# Altium PCB 电源模块.PcbDoc (part 2 of 3)
Units mil, origin at the board's own origin, x right, y up, seen from the top; angles counter-clockwise.
Board outline 3818.05 x 5303.04 mil, 4 copper layers (Top Layer, GND, POWER, Bottom Layer), stack 30.634 mil thick; 232 components, 142 nets, 800 pads, 621 vias.
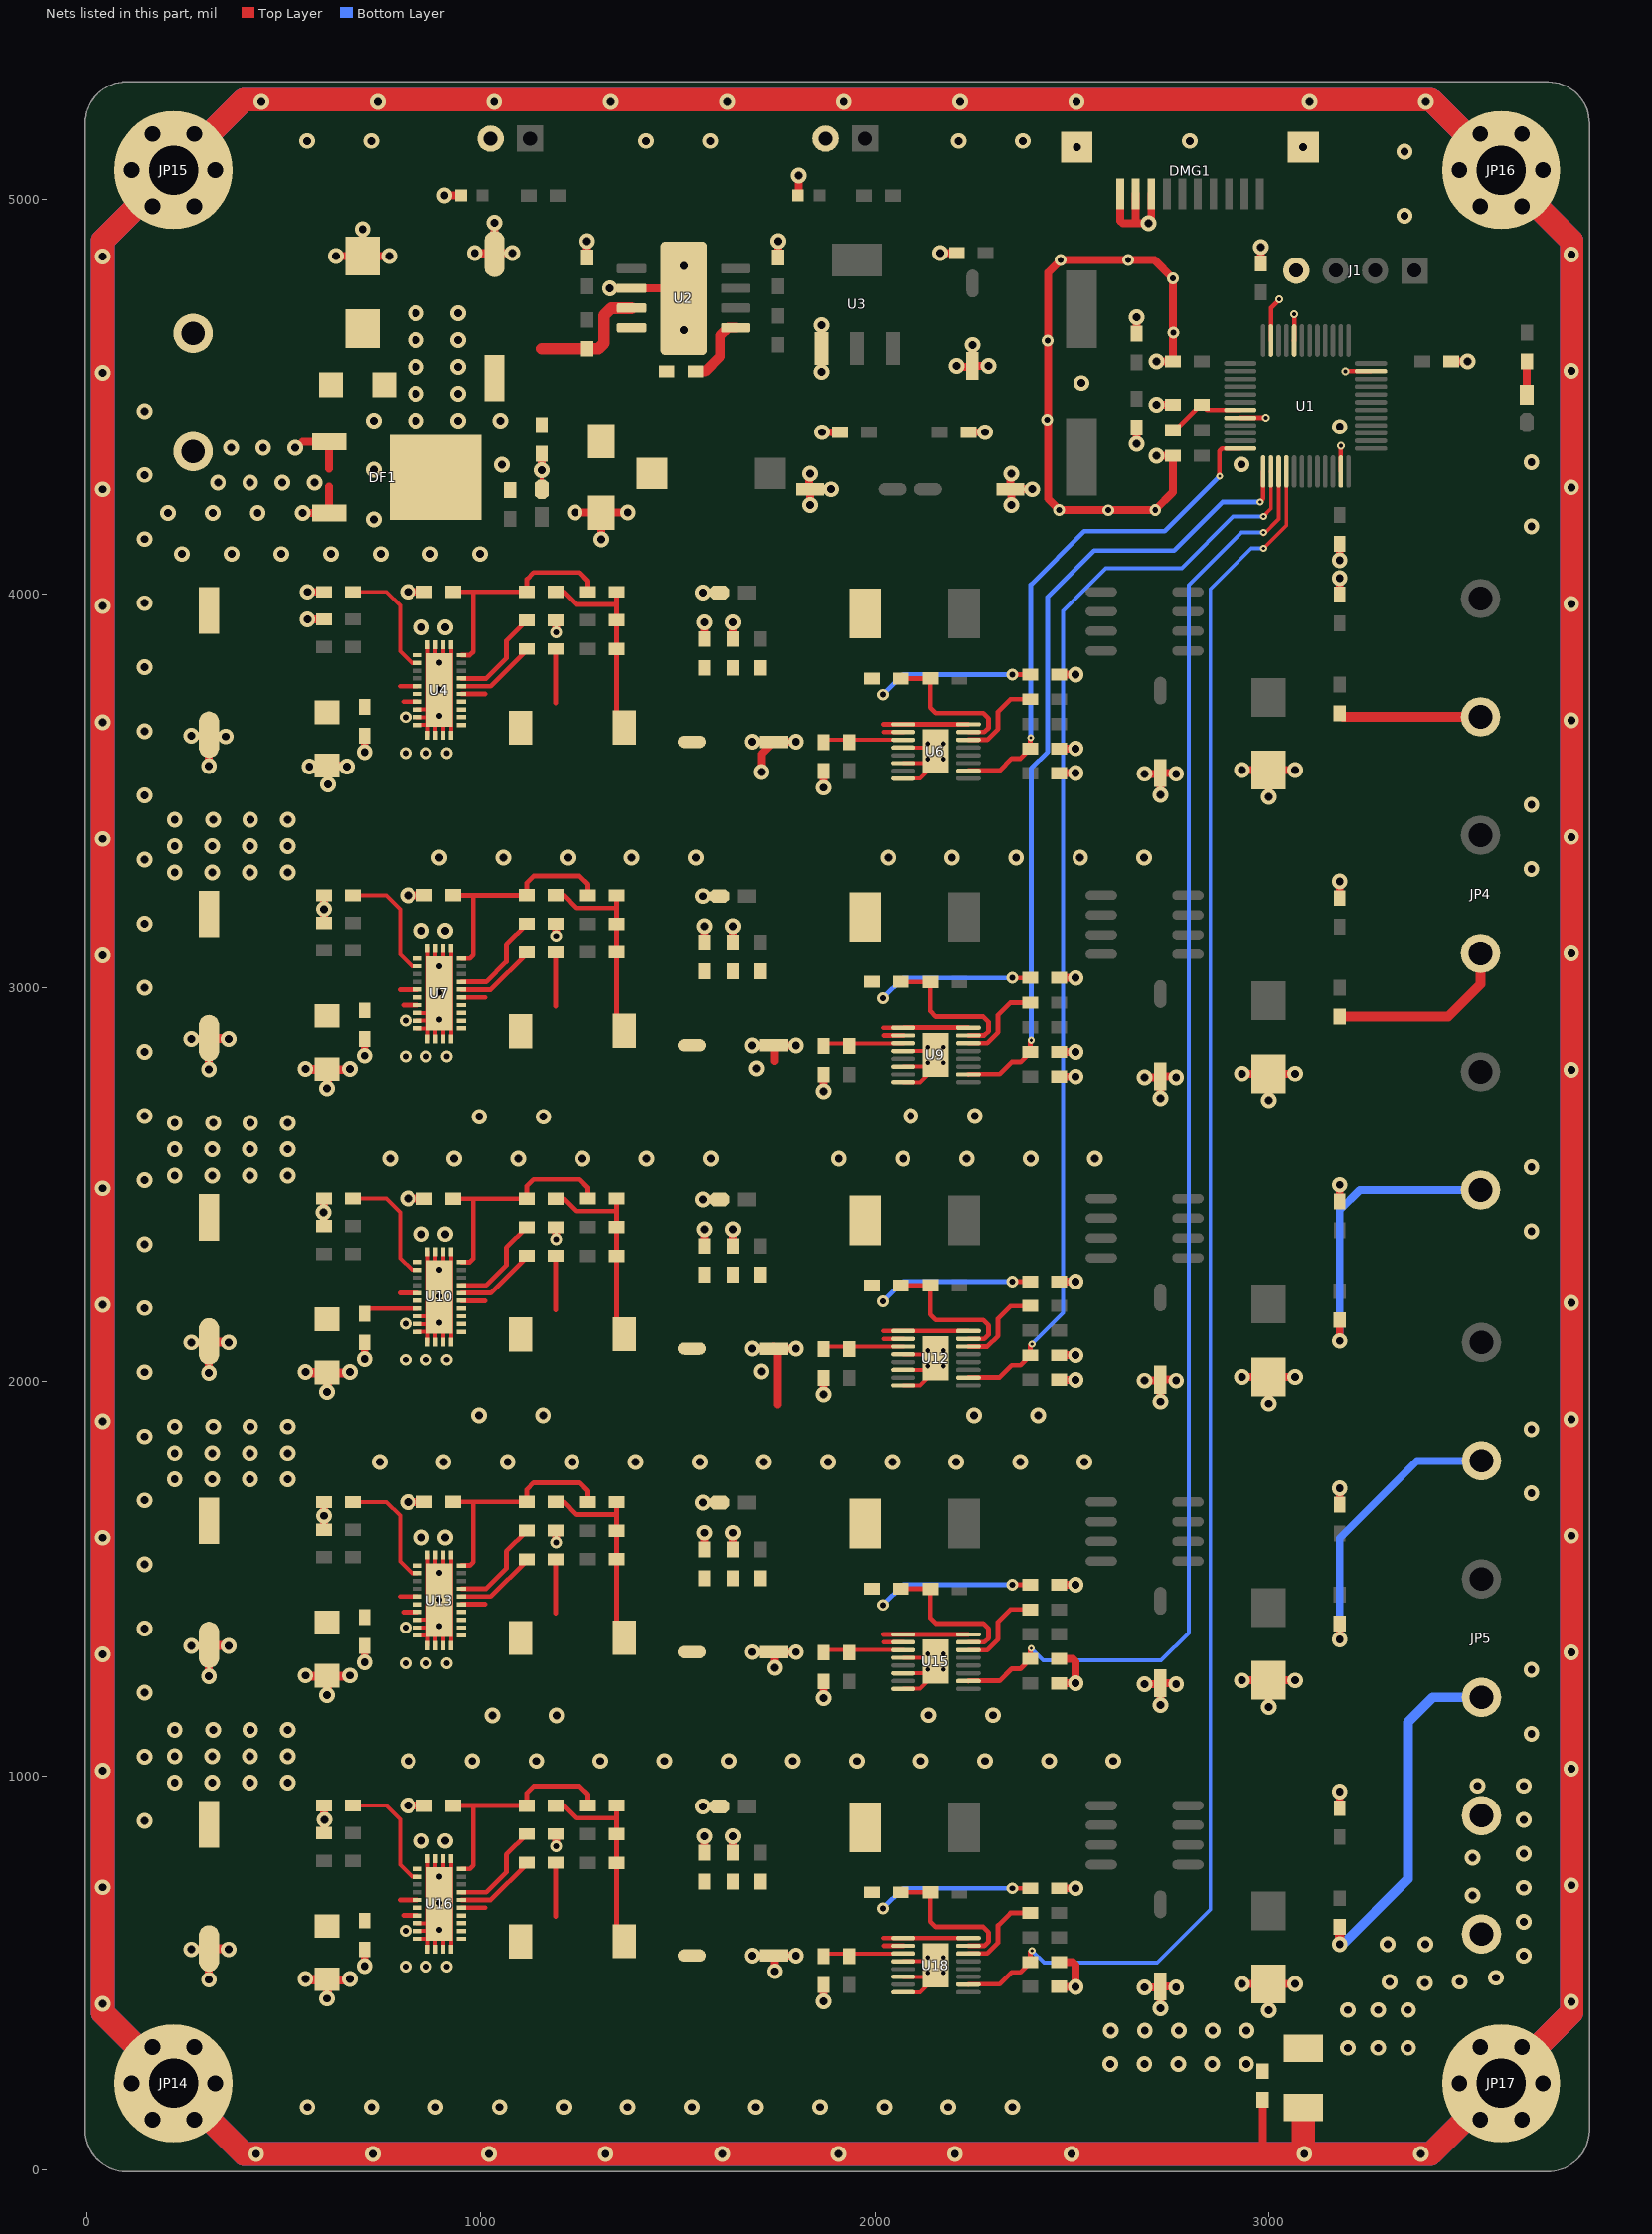
[diagram p4: the nets of this part, all layers, seen from the top]

## Via types
v1: diameter 40, hole 20, Top Layer to Bottom Layer, tented both sides, 472 vias
v2: diameter 30, hole 15, Top Layer to Bottom Layer, tented both sides, 84 vias
v3: diameter 18, hole 8, Top Layer to Bottom Layer, tented both sides, 32 vias
v4: diameter 24, hole 12, Top Layer to Bottom Layer, tented both sides, 20 vias
v5: diameter 20, hole 10, Top Layer to Bottom Layer, tented both sides, 13 vias

## Nets (pads, with @x,y where several pads share a name; then routed paths per layer and width w, separated by ;. In a path a pad name is that pad's centre, name@x,y a point inside that pad or via, vN(x,y) a via of type N, cw(c..) or ccw(c..) an arc to the next point about the centre after c; other vN are vias at no path point) (continued)
GND: C1.2 C2.1 C3.2 C4.1 C5.1 C6.1 C7.1 C8.1 C10.1 C11.1 C12.2 C13.1 C14.1 C15.1 C16.1 C17.1 C19.2 C20.1 C21.1 C22.1 C23.1 C24.1 C25.1 C26.1 C29.1 C30.1 C32.1 C33.2 C34.1 C36.2 C37.1 C38.1 C39.1 C40.1 C41.1 C42.1 C43.1 C46.1 C47.1 C49.1 C50.2 C51.1 C53.2 C54.1 C55.1 C56.1 C57.1 C58.1 C59.1 C60.1 C63.1 C64.1 C66.1 C67.2 C68.1 C70.2 C71.1 C72.1 C73.1 C74.1 C75.1 C76.1 C77.1 C80.1 C81.1 C83.1 C84.2 C85.1 C87.2 C88.1 C89.1 C90.1 C91.1 C92.1 C93.1 C94.1 C97.1 C98.1 C100.1 C101.2 C102.1 C103.1 D1.1 D2.1 D3.1 D4.1 D5.1 D6.1 D7.1 D8.1 D9.1 DF1.1 DF1.3 DMG1.0 DMG1.8 DMG1.9 DMG1.10 J1.4 JP1.2 JP2.1 JP3.2 JP5.5 JP5.6 LED2.2 LED3.2 LED4.2 LED5.2 LED6.2 LED7.2 R7.2 R8.1 R17.2 R19.2 R21.1 R30.2 R32.2 R34.1 R43.2 R45.2 R47.1 R56.2 R58.2 R60.1 R69.2 R71.2 R73.1 R75.1 U1.8 U1.23 U1.35 U1.44 U1.47 U2.6 U2.9 U3.1 U4.1 U4.8 U4.9 U4.10 U4.11 U4.12 U4.13 U4.14 U4.25 U4.26 U4.27 U4.28 U4.29 U6.4 U6.6 U6.8 U6.17 U7.1 U7.8 U7.9 U7.10 U7.11 U7.12 U7.13 U7.14 U7.25 U7.26 U7.27 U7.28 U7.29 U9.4 U9.6 U9.8 U9.17 U10.1 U10.8 U10.9 U10.10 U10.11 U10.12 U10.13 U10.14 U10.25 U10.26 U10.27 U10.28 U10.29 U12.4 U12.6 U12.8 U12.17 U13.1 U13.8 U13.9 U13.10 U13.11 U13.12 U13.13 U13.14 U13.25 U13.26 U13.27 U13.28 U13.29 U15.4 U15.6 U15.8 U15.17 U16.1 U16.8 U16.9 U16.10 U16.11 U16.12 U16.13 U16.14 U16.25 U16.26 U16.27 U16.28 U16.29 U18.4 U18.6 U18.8 U18.17 | length 18093.8
  Top Layer w10: U16.10@839.28,587.04 863.52,587.04 U16.29@865.56,585 ; U16.9@839.28,606.72 U16.29@863.52,606.72 ; U16.8@839.28,626.41 U16.29@863.52,626.41 ; U13.10@839.28,1357.04 863.52,1357.04 U13.29@865.56,1355 ; U13.9@839.28,1376.72 U13.29@863.52,1376.72 ; U13.8@839.28,1396.41 U13.29@863.52,1396.41 ; U10.10@839.28,2127.04 863.52,2127.04 U10.29@865.56,2125 ; U10.9@839.28,2146.72 U10.29@863.52,2146.72 ; U10.8@839.28,2166.41 U10.29@863.52,2166.41 ; U7.10@839.28,2897.04 863.52,2897.04 U7.29@865.56,2895 ; U7.9@839.28,2916.72 U7.29@863.52,2916.72 ; U7.8@839.28,2936.41 U7.29@863.52,2936.41 ; U4.10@839.28,3667.04 863.52,3667.04 U4.29@865.56,3665 ; U4.9@839.28,3686.72 U4.29@863.52,3686.72 ; U4.8@839.28,3706.41 U4.29@863.52,3706.41 ; U16.11@865.56,560.76 U16.29@865.56,585 ; U16.28@865.56,790.48 U16.29@865.56,705.15 ; U13.11@865.56,1330.76 U13.29@865.56,1355 ; U13.28@865.56,1560.48 U13.29@865.56,1475.15 ; U10.11@865.56,2100.76 U10.29@865.56,2125 ; U10.28@865.56,2330.48 U10.29@865.56,2245.15 ; U7.11@865.56,2870.76 U7.29@865.56,2895 ; U7.28@865.56,3100.48 U7.29@865.56,3015.15 ; U4.11@865.56,3640.76 U4.29@865.56,3665 ; U4.28@865.56,3870.48 U4.29@865.56,3785.15 ; U16.12@885.24,560.76 U16.29@885.24,585 ; U16.27@885.24,790.48 U16.29@885.24,685.47 ; U13.12@885.24,1330.76 U13.29@885.24,1355 ; U13.27@885.24,1560.48 U13.29@885.24,1455.47 ; U10.12@885.24,2100.76 U10.29@885.24,2125 ; U10.27@885.24,2330.48 U10.29@885.24,2225.47 ; U7.12@885.24,2870.76 U7.29@885.24,2895 ; U7.27@885.24,3100.48 U7.29@885.24,2995.47 ; U4.12@885.24,3640.76 U4.29@885.24,3665 ; U4.27@885.24,3870.48 U4.29@885.24,3765.47 ; U16.13@904.93,560.76 U16.29@904.93,585 ; U16.26@904.93,790.48 U16.29@904.93,685.47 ; U13.13@904.93,1330.76 U13.29@904.93,1355 ; U13.26@904.93,1560.48 U13.29@904.93,1455.47 ; U10.13@904.93,2100.76 U10.29@904.93,2125 ; U10.26@904.93,2330.48 U10.29@904.93,2225.47 ; U7.13@904.93,2870.76 U7.29@904.93,2895 ; U7.26@904.93,3100.48 U7.29@904.93,2995.47 ; U4.13@904.93,3640.76 U4.29@904.93,3665 ; U4.26@904.93,3870.48 U4.29@904.93,3765.47 ; U16.14@924.61,560.76 U16.29@924.61,705.15 ; U16.25@924.61,790.48 U16.29@924.61,705.15 ; U13.14@924.61,1330.76 U13.29@924.61,1475.15 ; U13.25@924.61,1560.48 U13.29@924.61,1475.15 ; U10.14@924.61,2100.76 U10.29@924.61,2245.15 ; U10.25@924.61,2330.48 U10.29@924.61,2245.15 ; U7.14@924.61,2870.76 U7.29@924.61,3015.15 ; U7.25@924.61,3100.48 U7.29@924.61,3015.15 ; U4.14@924.61,3640.76 U4.29@924.61,3785.15 ; U4.25@924.61,3870.48 U4.29@924.61,3785.15 ; LED2.2@1155,4265 v1(1155,4313) ; U18.8@2072.17,451.1 2116.1,451.1 2155,490 U18.17@2155,520 ; U18.6@2072.17,490.47 2125.47,490.47 v4(2135.31,500.31) U18.17@2155,520 ; U18.4@2072.17,529.84 2145.16,529.84 U18.17@2155,520 ; U15.8@2072.17,1221.1 2116.1,1221.1 2155,1260 U15.17@2155,1290 ; U15.6@2072.17,1260.47 2125.47,1260.47 v4(2135.31,1270.31) U15.17@2155,1290 ; U15.4@2072.17,1299.84 2145.16,1299.84 U15.17@2155,1290 ; U12.8@2072.17,1991.1 2116.1,1991.1 2155,2030 U12.17@2155,2060 ; U12.6@2072.17,2030.47 2125.47,2030.47 v4(2135.31,2040.31) U12.17@2155,2060 ; U12.4@2072.17,2069.84 2145.16,2069.84 U12.17@2155,2060 ; U9.8@2072.17,2761.1 2116.1,2761.1 2155,2800 U9.17@2155,2830 ; U9.6@2072.17,2800.47 2125.47,2800.47 v4(2135.31,2810.31) U9.17@2155,2830 ; U9.4@2072.17,2839.84 2145.16,2839.84 U9.17@2155,2830 ; U6.8@2072.17,3531.1 2116.1,3531.1 2155,3570 U6.17@2155,3600 ; U6.6@2072.17,3570.47 2125.47,3570.47 v4(2135.31,3580.31) U6.17@2155,3600 ; U6.4@2072.17,3609.84 2145.16,3609.84 U6.17@2155,3600 ; U16.29@865.56,585 U16.29@865.56,705.15 ; U16.29@865.56,705.15 U16.29@885.24,685.47 ; U13.29@865.56,1355 U13.29@865.56,1475.15 ; U13.29@865.56,1475.15 U13.29@885.24,1455.47 ; U10.29@865.56,2125 U10.29@865.56,2245.15 ; U10.29@865.56,2245.15 U10.29@885.24,2225.47 ; U7.29@865.56,2895 U7.29@865.56,3015.15 ; U7.29@865.56,3015.15 U7.29@885.24,2995.47 ; U4.29@865.56,3665 U4.29@865.56,3785.15 ; U4.29@865.56,3785.15 U4.29@885.24,3765.47 ; U16.29@885.24,685.47 U16.29@895.08,675.62 U16.29@904.93,685.47 ; U13.29@885.24,1455.47 U13.29@895.08,1445.62 U13.29@904.93,1455.47 ; U10.29@885.24,2225.47 U10.29@895.08,2215.62 U10.29@904.93,2225.47 ; U7.29@885.24,2995.47 U7.29@895.08,2985.62 U7.29@904.93,2995.47 ; U4.29@885.24,3765.47 U4.29@895.08,3755.62 U4.29@904.93,3765.47 ; U16.29@904.93,685.47 U16.29@924.61,705.15 ; U13.29@904.93,1455.47 U13.29@924.61,1475.15 ; U10.29@904.93,2225.47 U10.29@924.61,2245.15 ; U7.29@904.93,2995.47 U7.29@924.61,3015.15 ; U4.29@904.93,3765.47 U4.29@924.61,3785.15
  Top Layer w12: U1.8@2927.8,4446.89 v5(2992.89,4446.89) ; U1.47@3005.63,4642.83 3005.63,4725.63 v5(3027,4747) ; U1.44@3064.69,4642.83 3065,4643.15 v5(3065,4710) ; U1.23@3182.8,4310 v5(3182.8,4375.09) ; v5(3194.54,4565) U1.35@3259.63,4565
  Top Layer w20: v1(265,560) C87.2@312.52,560 ; v1(265,1330) C70.2@312.52,1330 ; v1(265,2100) C53.2@312.52,2100 ; v1(265,2870) C36.2@312.52,2870 ; v1(265,3640) C19.2@312.52,3640 ; v1(310,483) C87.2@310,525 ; C87.2@310,562.52 C87.2@312.52,560 ; v1(310,1253) C70.2@310,1295 ; C70.2@310,1332.52 C70.2@312.52,1330 ; v1(310,2023) C53.2@310,2065 ; C53.2@310,2102.52 C53.2@312.52,2100 ; v1(310,2793) C36.2@310,2835 ; C36.2@310,2872.52 C36.2@312.52,2870 ; v1(310,3563) C19.2@310,3605 ; C19.2@310,3642.52 C19.2@312.52,3640 ; C87.2@312.52,562.52 v1@367.48,562.52 ; C70.2@312.52,1332.52 v1@367.48,1332.52 ; C53.2@312.52,2102.52 v1@367.48,2102.52 ; C36.2@312.52,2872.52 v1@367.48,2872.52 ; v1(352,3638) 314.52,3638 C19.2@312.52,3640 ; v1(360,560) C87.2@312.52,560 ; v1(360,1330) C70.2@312.52,1330 ; v1(360,2100) C53.2@312.52,2100 ; v1(360,2870) C36.2@312.52,2870 ; v1(547.62,4204.84) DF1.3@615.1,4204.84 615.1,4272.32 ; 547.62,4385.16 DF1.1@615.1,4385.16 615.1,4317.68 ; v1(555,485) 609,485 C88.1@610,484 ; v1(555,1255) 609,1255 C71.1@610,1254 ; v1(555,2025) 609,2025 C54.1@610,2024 ; v1(555,2795) 609,2795 C37.1@610,2794 ; v1(560,3935) R17.2@602,3935 ; v1(560,4005) C30.1@602,4005 ; v1@565,481.48 C88.1@610,481.48 ; v1@565,1251.48 C71.1@610,1251.48 ; v1@565,2021.48 C54.1@610,2021.48 ; v1@565,2791.48 C37.1@610,2791.48 ; v1(565,3561.48) C20.1@610,3561.48 ; C98.1@602,925 R69.2@602,855 603,856 v1(603,889) ; R56.2@602,1625 C81.1@602,1695 ; R43.2@602,2395 C64.1@602,2465 ; R30.2@602,3165 C47.1@602,3235 ; v1(610,435) C88.1@610,477 ; v1(610,1205) C71.1@610,1247 ; v1(610,1975) C54.1@610,2017 ; v1(610,2745) C37.1@610,2787 ; C20.1@610,3564 C20.1@611.26,3562.74 ; v1@612.52,436.48 C88.1@612.52,481.48 ; v1@612.52,1206.48 C71.1@612.52,1251.48 ; v1@612.52,1976.48 C54.1@612.52,2021.48 ; v1@612.52,2746.48 C37.1@612.52,2791.48 ; v1(612.52,3516.48) C20.1@612.52,3561.48 ; v1(632.52,4857.52) D2.1@700,4857.52 ; v1@660,481.48 C88.1@612.52,481.48 ; v1@660,1251.48 C71.1@612.52,1251.48 ; v1@660,2021.48 C54.1@612.52,2021.48 ; v1@660,2791.48 C37.1@612.52,2791.48 ; v1(660,3561.48) C20.1@612.52,3561.48 ; v1@667.48,484 C88.1@612.52,484 ; v1@667.48,1254 C71.1@612.52,1254 ; v1@667.48,2024 C54.1@612.52,2024 ; v1@667.48,2794 C37.1@612.52,2794 ; v1@667.48,3564 C20.1@612.52,3564 ; v1(700,4925) D2.1@700,4857.52 ; v1(705,518) C89.1@705,560 ; v1(705,1288) C72.1@705,1330 ; v1(705,2058) C55.1@705,2100 ; v1(705,2828) C38.1@705,2870 ; v1(705,3598) C21.1@705,3640 ; v1(767.48,4857.52) D2.1@700,4857.52 ; v1(815,925) R71.2@857,925 ; v1(815,1695) R58.2@857,1695 ; v1(815,2465) R45.2@857,2465 ; v1(815,3235) R32.2@857,3235 ; v1(815,4005) R19.2@857,4005 ; v1(908,5011) D9.1@950,5011 ; v1@977.52,4862.48 C12.2@1032.48,4862.48 ; v1(985,4865) C12.2@1032.48,4865 ; C12.2@1035,4862.48 C12.2@1032.48,4865 ; C12.2@1035,4900 v1(1035,4942) ; v1(1080,4865) C12.2@1032.48,4865 ; v1(1155,4313) C103.1@1155,4355 ; C97.1@1190,852.5 1191,851.5 v2(1191,822) ; C80.1@1190,1622.5 1191,1621.5 v2(1191,1592) ; C63.1@1190,2392.5 1191,2391.5 v2(1191,2362) ; C46.1@1190,3162.5 1191,3161.5 v2(1191,3132) ; C29.1@1190,3932.5 1191,3931.5 v2(1191,3902) ; v1(1238.52,4206) D3.1@1306,4206 ; R7.2@1270,4853 v1(1270,4895) ; v1(1306,4138.52) D3.1@1306,4206 ; v1(1328,4775) U2.6@1370,4775 ; v1(1373.48,4206) D3.1@1306,4206 ; U2.6@1383.11,4775 1490,4775 U2.9@1515,4750 ; v1(1563,923) LED7.2@1605,923 ; v1(1563,1693) LED6.2@1605,1693 ; v1(1563,2463) LED5.2@1605,2463 ; v1(1563,3233) LED4.2@1605,3233 ; v1(1563,4003) LED3.2@1605,4003 ; C92.1@1567.53,805 v1(1567.53,847) ; C75.1@1567.53,1575 v1(1567.53,1617) ; C58.1@1567.53,2345 v1(1567.53,2387) ; C41.1@1567.53,3115 v1(1567.53,3157) ; C24.1@1567.53,3885 v1(1567.53,3927) ; C91.1@1638.76,805 v1(1638.76,847) ; C74.1@1638.76,1575 v1(1638.76,1617) ; C57.1@1638.76,2345 v1(1638.76,2387) ; C40.1@1638.76,3115 v1(1638.76,3157) ; C23.1@1638.76,3885 v1(1638.76,3927) ; v1(1690,3624.33) C22.1@1744.33,3624.33 C22.1@1746.85,3626.85 ; v1(1713,3548) 1713,3593 C22.1@1746.85,3626.85 ; C22.1@1744.33,3629.37 C22.1@1746.85,3626.85 ; v1(1746.85,504.33) C90.1@1746.85,546.85 ; v1(1746.85,1274.33) C73.1@1746.85,1316.85 ; 1746.85,2814.33 C39.1@1746.85,2856.85 ; 1754,1943 1754,2079.7 C56.1@1746.85,2086.85 ; R8.1@1755,4853 v1(1755,4895) ; v1@1781.85,3624.33 v1(1800,3624.33) ; D1.1@1805,5011 1807,5013 v1(1807,5061.7) ; C14.1@1833.15,4265 C14.1@1835.67,4267.52 ; v1@1833.15,4305 1833.15,4270.04 C14.1@1835.67,4267.52 ; v1(1835.67,4225) C14.1@1835.67,4265 C14.1@1835.67,4267.52 ; v1(1865,4563) U3.1@1865,4605 ; U3.1@1865,4640 v1(1865,4682) ; v1(1866,4410) 1893.65,4410 C16.1@1894.2,4409.45 ; v1(1870,428) C102.1@1870,470 ; v1(1870,1198) C85.1@1870,1240 ; v1(1870,1968) C68.1@1870,2010 ; v1(1870,2738) C51.1@1870,2780 ; v1(1870,3508) C34.1@1870,3550 ; C14.1@1870.67,4265 v1(1888.82,4265) ; v1(2166.5,4865) C11.1@2208.5,4865 ; v1@2208.33,4576.15 2243.29,4576.15 C17.1@2245.81,4578.67 ; C15.1@2238,4410 v1(2280,4410) ; C17.1@2248.33,4576.15 C17.1@2245.81,4578.67 ; C17.1@2248.33,4613.67 v1(2248.33,4631.82) ; v1(2288.33,4578.67) C17.1@2248.33,4578.67 C17.1@2245.81,4578.67 ; C10.1@2344.33,4265 C10.1@2346.85,4267.52 ; v1@2344.33,4305 2344.33,4270.04 C10.1@2346.85,4267.52 ; v1(2346.85,4225) C10.1@2346.85,4267.52 ; v1@2381.85,4265 v1(2400,4265) ; R73.1@2468,465 v1(2510,465) 2510,520 2502.5,527.5 C101.2@2468,527.5 ; C100.1@2468,715 v1(2510,715) ; R60.1@2468,1235 v1(2510,1235) 2510,1290 2502.5,1297.5 C84.2@2468,1297.5 ; C83.1@2468,1485 v1(2510,1485) ; R47.1@2468,2005 v1(2510,2005) ; C67.2@2468,2067.5 v1(2510,2067.5) ; C66.1@2468,2255 v1(2510,2255) ; R34.1@2468,2775 v1(2510,2775) ; C50.2@2468,2837.5 v1(2510,2837.5) ; C49.1@2468,3025 v1(2510,3025) ; R21.1@2468,3545 v1(2510,3545) ; C33.2@2468,3607.5 v1(2510,3607.5) ; C32.1@2468,3795 v1(2510,3795) ; DMG1.10@2623.15,5015 2623.15,4946.85 2630,4940 2665,4940 ; DMG1.9@2662.52,5015 2662.52,4942.48 2665,4940 ; v1(2665,4380) C3.2@2665,4422 ; C1.2@2665,4660 v1(2665,4702) ; v1(2685,463.15) C93.1@2727.52,463.15 ; v1(2685,1233.15) C76.1@2727.52,1233.15 ; v1(2685,2003.15) C59.1@2727.52,2003.15 ; v1(2685,2773.15) C42.1@2727.52,2773.15 ; v1(2685,3543.15) C25.1@2727.52,3543.15 ; DMG1.8@2701.89,5015 2701.89,4946.89 v1(2695,4940) 2665,4940 ; v1(2715,4350) C5.1@2757,4350 2757,4258 v2(2712,4213) v2(2468,4213) 2440,4241 2440,4815 v2(2472,4847) 2710,4847 v2(2757,4800) C6.1@2757,4590 v1(2715,4590) ; v1(2715,4480) C2.1@2757,4480 ; v1(2725,410) v1@2725,428.15 ; C93.1@2725,465.67 C93.1@2727.52,463.15 ; v1(2725,1180) v1@2725,1198.15 ; C76.1@2725,1235.67 C76.1@2727.52,1233.15 ; v1(2725,1950) v1@2725,1968.15 ; C59.1@2725,2005.67 C59.1@2727.52,2003.15 ; v1(2725,2720) v1@2725,2738.15 ; C42.1@2725,2775.67 C42.1@2727.52,2773.15 ; v1(2725,3490) v1@2725,3508.15 ; C25.1@2725,3545.67 C25.1@2727.52,3543.15 ; v1@2765,465.67 2730.04,465.67 C93.1@2727.52,463.15 ; v1@2765,1235.67 2730.04,1235.67 C76.1@2727.52,1233.15 ; v1@2765,2005.67 2730.04,2005.67 C59.1@2727.52,2003.15 ; v1@2765,2775.67 2730.04,2775.67 C42.1@2727.52,2773.15 ; v1@2765,3545.67 2730.04,3545.67 C25.1@2727.52,3543.15 ; v1(2932.52,472.48) D8.1@3000,472.48 ; v1(2932.52,1242.48) D7.1@3000,1242.48 ; v1(2932.52,2012.48) D6.1@3000,2012.48 ; v1(2932.52,2782.48) D5.1@3000,2782.48 ; v1(2932.52,3552.48) D4.1@3000,3552.48 ; C7.1@2980,4838 v1(2980,4880) ; v1(3000,405) D8.1@3000,472.48 ; v1(3000,1175) D7.1@3000,1242.48 ; v1(3000,1945) D6.1@3000,2012.48 ; v1(3000,2715) D5.1@3000,2782.48 ; v1(3000,3485) D4.1@3000,3552.48 ; v1(3067.48,472.48) D8.1@3000,472.48 ; v1(3067.48,1242.48) D7.1@3000,1242.48 ; v1(3067.48,2012.48) D6.1@3000,2012.48 ; v1(3067.48,2782.48) D5.1@3000,2782.48 ; v1(3067.48,3552.48) D4.1@3000,3552.48 ; C94.1@3180,918 v1(3180,960) ; C77.1@3180,1688 v1(3180,1730) ; C60.1@3180,2458 v1(3180,2500) ; C43.1@3180,3228 v1(3180,3270) ; C26.1@3180,3998 v1(3180,4040) ; v1(3180,4085) C4.1@3180,4127 ; C8.1@3463,4590 v1(3505,4590) ; C88.1@610,481.48 C88.1@611.26,482.74 ; C88.1@610,481.48 C88.1@612.52,481.48 ; C88.1@610,484 C88.1@612.52,481.48 ; C88.1@610,484 C88.1@611.26,482.74 ; C71.1@610,1251.48 C71.1@611.26,1252.74 ; C71.1@610,1251.48 C71.1@612.52,1251.48 ; C71.1@610,1254 C71.1@612.52,1251.48 ; C71.1@610,1254 C71.1@611.26,1252.74 ; C54.1@610,2021.48 C54.1@611.26,2022.74 ; C54.1@610,2021.48 C54.1@612.52,2021.48 ; C54.1@610,2024 C54.1@612.52,2021.48 ; C54.1@610,2024 C54.1@611.26,2022.74 ; C37.1@610,2791.48 C37.1@612.52,2791.48 ; C37.1@610,2791.48 C37.1@611.26,2792.74 ; C37.1@610,2794 C37.1@611.26,2792.74 ; C37.1@610,2794 C37.1@612.52,2791.48 ; C20.1@610,3561.48 C20.1@611.26,3562.74 ; C20.1@610,3561.48 C20.1@612.52,3561.48 ; C88.1@611.26,482.74 C88.1@612.52,484 ; C88.1@611.26,482.74 C88.1@612.52,481.48 ; C71.1@611.26,1252.74 C71.1@612.52,1254 ; C71.1@611.26,1252.74 C71.1@612.52,1251.48 ; C54.1@611.26,2022.74 C54.1@612.52,2024 ; C54.1@611.26,2022.74 C54.1@612.52,2021.48 ; C37.1@611.26,2792.74 C37.1@612.52,2791.48 ; C37.1@611.26,2792.74 C37.1@612.52,2794 ; C20.1@611.26,3562.74 C20.1@612.52,3564 ; C20.1@611.26,3562.74 C20.1@612.52,3561.48 ; C88.1@612.52,481.48 615.04,484 C88.1@612.52,484 ; C88.1@612.52,481.48 C88.1@612.52,484 ; C71.1@612.52,1251.48 615.04,1254 C71.1@612.52,1254 ; C71.1@612.52,1251.48 C71.1@612.52,1254 ; C54.1@612.52,2021.48 615.04,2024 C54.1@612.52,2024 ; C54.1@612.52,2021.48 C54.1@612.52,2024 ; C37.1@612.52,2791.48 C37.1@612.52,2794 ; C37.1@612.52,2791.48 615.04,2794 C37.1@612.52,2794 ; C20.1@612.52,3561.48 C20.1@612.52,3564 ; C90.1@1744.33,544.33 v1(1690,544.33) C90.1@1744.33,544.33 ; C90.1@1744.33,544.33 C90.1@1746.85,546.85 ; C90.1@1744.33,544.33 C90.1@1746.85,546.85 ; C73.1@1744.33,1314.33 v1(1690,1314.33) C73.1@1744.33,1314.33 ; C73.1@1744.33,1314.33 C73.1@1746.85,1316.85 ; C73.1@1744.33,1314.33 C73.1@1746.85,1316.85 ; C56.1@1744.33,2084.33 v1(1690,2084.33) C56.1@1744.33,2084.33 ; C56.1@1744.33,2084.33 C56.1@1746.85,2086.85 ; C56.1@1744.33,2084.33 C56.1@1746.85,2086.85 ; C39.1@1744.33,2854.33 C39.1@1746.85,2856.85 ; C39.1@1744.33,2854.33 v1(1690,2854.33) C39.1@1744.33,2854.33 ; C39.1@1744.33,2854.33 C39.1@1746.85,2856.85 ; C90.1@1746.85,546.85 1744.33,549.37 C90.1@1746.85,546.85 ; C73.1@1746.85,1316.85 1744.33,1319.37 C73.1@1746.85,1316.85 ; C56.1@1746.85,2086.85 1744.33,2089.37 C56.1@1746.85,2086.85 ; C39.1@1746.85,2856.85 1744.33,2859.37 C39.1@1746.85,2856.85 ; v1@1781.85,544.33 v1(1800,544.33) v1@1781.85,544.33 ; v1@1781.85,1314.33 v1(1800,1314.33) v1@1781.85,1314.33 ; v1@1781.85,2084.33 v1(1800,2084.33) v1@1781.85,2084.33 ; v1@1781.85,2854.33 v1(1800,2854.33) v1@1781.85,2854.33
  other v1: 560,160 722.64,160 885.27,160 1047.91,160 1210.55,160 1373.18,160 1535.82,160 1698.45,160 1861.09,160 2023.73,160 2186.36,160 2349,160 2598.2,269 2684.4,269 2770.6,269 2856.8,269 2943,269 3201,310 3277.5,310 3354,310 2599.2,354 2685.4,354 2771.6,354 2857.8,354 2944,354 3201,406 3277.5,406 3354,406 2765,463.15 3396,475 3307,477 3485,478 667.48,485 3577,488 1746.85,504.33 1690,544.33 1800,544.33 3647,544 3302,573 3398,573 3647,630.2 3517,697 3647,716.4 3517,793 3647,802.6 850,835 910,835 147,886 3647,888.8 3530,975 3647,975 816,1038 978.64,1038 1141.27,1038 1303.91,1038 1466.55,1038 1629.18,1038 1791.82,1038 1954.45,1038 2117.09,1038 2279.73,1038 2442.36,1038 2605,1038 147,1048.64 3667,1107 1029.36,1153 1192,1153 2137.36,1154 2300,1154 147,1211.27 2765,1233.15 667.48,1255 3667,1269.64 1746.85,1274.33 1690,1314.33 1800,1314.33 147,1373.91 147,1536.55 850,1605 910,1605 602,1660 147,1699.18 3667,1717 743,1797 905.64,1797 1068.27,1797 1230.91,1797 1393.55,1797 1556.18,1797 1718.82,1797 1881.45,1797 2044.09,1797 2206.73,1797 2369.36,1797 2532,1797 147,1861.82 3667,1879.64 995.36,1915 1158,1915 2252.36,1915 2415,1915 2765,2003.15 147,2024.46 667.48,2025 1713,2026 1690,2084.33 1800,2084.33 147,2187.09 147,2349.73 850,2375 910,2375 3667,2382 601,2430 147,2512.36 3667,2544.64 770,2566 932.64,2566 1095.27,2566 1257.91,2566 1420.55,2566 1583.18,2566 1908.45,2566 2071.09,2566 2233.73,2566 2396.36,2566 2559,2566 996.36,2673 1159,2673 147,2675 2091.36,2675 2254,2675 2765,2773.15 667.48,2795 1701,2796 147,2837.64 1690,2854.33 1800,2854.33 147,3000.27 850,3145 910,3145 147,3162.91 602,3200 3667,3302 147,3325.55 895,3331 1057.64,3331 1220.27,3331 1382.91,3331 1545.55,3331 2033.45,3331 2196.09,3331 2358.73,3331 2521.36,3331 2684,3331 3667,3464.64 147,3488.18 2765,3543.15 147,3650.82 147,3813.45 850,3915 910,3915 147,3976.09 147,4138.73 3667,4171 206,4204.84 319.87,4204.84 433.75,4204.84 333,4281.68 414.7,4281.68 496.4,4281.68 578.1,4281.68 147,4301.36 1835.67,4305 2346.85,4305 2931,4328 3667,4333.64 366,4370 447.7,4370 529.4,4370 3180,4424 147,4464 2525,4535 2208.33,4578.67 1516,4669.36 1516,4832 3345,4959 3345,5121.64 2512.91,5133.11 3087.72,5133.11 559,5149 721.64,5149 1420,5149 1582.64,5149 2213,5149 2375.64,5149 2800,5149
  other v2: 809,516 861.5,516 914,516 809,607 895.08,610 895.08,677.5 895.08,745 809,1286 861.5,1286 914,1286 809,1377 895.08,1380 895.08,1447.5 895.08,1515 809,2056 861.5,2056 914,2056 809,2147 895.08,2150 895.08,2217.5 895.08,2285 809,2826 861.5,2826 914,2826 809,2917 895.08,2920 895.08,2987.5 895.08,3055 809,3596 861.5,3596 914,3596 809,3687 895.08,3690 895.08,3757.5 895.08,3825 2593,4212 2438,4442 2439,4643 2758,4663 2643,4847
  other v4: 2174.68,500.31 2135.31,539.68 2174.68,539.68 2174.68,1270.31 2135.31,1309.68 2174.68,1309.68 2174.68,2040.31 2135.31,2079.68 2174.68,2079.68 2174.68,2810.31 2135.31,2849.68 2174.68,2849.68 2174.68,3580.31 2135.31,3619.68 2174.68,3619.68
LED1: JP4.2 R12.1 | length 361.6
  Top Layer w25: R12.1@3180,3697 3189.3,3687.7 JP4.2@3537.75,3687.7
LED2: JP4.4 R25.1 | length 470.2
  Top Layer w25: R25.1@3180,2927 3456,2927 3537.75,3008.75 JP4.4@3537.75,3087.31
LED3: JP4.6 R38.1 | length 769.8
  Top Layer w20: v1@3180,2098 v1(3180,2104) R38.1@3180,2157
  Bottom Layer w20: v1(3180,2104) 3180,2436 3230.92,2486.92 JP4.6@3537.75,2486.92
LED4: JP5.2 R51.1 | length 739.5
  Top Layer w20: v1(3180,1346) R51.1@3180,1387
  Bottom Layer w20: v1(3180,1346) 3180,1603 3376.8,1799.8 JP5.2@3540,1799.8
LED5: JP5.4 R64.1 | length 896.6
  Top Layer w25: v1(3180,573) R64.1@3180,617
  Bottom Layer w25: v1(3180,573) 3188,573 3353,738 3353,1136 3416.41,1199.41 JP5.4@3540,1199.41
NetC2_2: C2.2 R3.2 U1.7 | length 203.3
  Top Layer w12: R3.2@2757,4415 2763,4415 2828,4480 C2.2@2830,4480 2843.43,4466.57 U1.7@2927.8,4466.57
NetC9_1: C9.1 U2.1 | length 178.9
  Top Layer w25: C9.1@1545,4564 1569,4564 1607,4602 1607,4655 1627,4675 U2.1@1646.89,4675
NetC9_2: C9.2 D3.2 L1.1 U2.8
NetC12_1: C12.1 C19.1 C20.2 C21.2 C36.1 C37.2 C38.2 C53.1 C54.2 C55.2 C70.1 C71.2 C72.2 C87.1 C88.2 C89.2 C103.2 D2.2 DF1.2 FU1.2 R5.2 R6.1 U2.7 U4.5 U4.6 U4.7 U7.5 U7.6 U7.7 U10.5 U10.6 U10.7 U13.5 U13.6 U13.7 U16.5 U16.6 U16.7 | length 812
  Top Layer w12: C55.2@705,2173 718.09,2186.09 U10.7@839.28,2186.09 ; 795.47,685.47 U16.5@839.28,685.47 ; 795.47,1455.47 U13.5@839.28,1455.47 ; 795.47,2225.47 U10.5@839.28,2225.47 ; 795.47,2995.47 U7.5@839.28,2995.47 ; 795.47,3765.47 U4.5@839.28,3765.47 ; 803.91,646.09 U16.7@839.28,646.09 ; 803.91,1416.09 U13.7@839.28,1416.09 ; 803.91,2956.09 U7.7@839.28,2956.09 ; 803.91,3726.09 U4.7@839.28,3726.09
  Top Layer w30: 1155,4622 R6.1@1270,4622 1299,4622 1313,4636 1313,4706 1332,4725 U2.7@1383.11,4725
  other v1: 223,983 318.67,983 414.33,983 510,983 223,1050 318.67,1050 414.33,1050 510,1050 223,1117 321,1117 415,1117 510,1117 223,1753 318.67,1753 414.33,1753 510,1753 223,1820 318.67,1820 414.33,1820 510,1820 223,1887 321,1887 415,1887 510,1887 223,2523 318.67,2523 414.33,2523 510,2523 223,2590 318.67,2590 414.33,2590 510,2590 223,2657 321,2657 415,2657 510,2657 223,3293 318.67,3293 414.33,3293 510,3293 223,3360 318.67,3360 414.33,3360 510,3360 223,3427 321,3427 415,3427 510,3427 241,4101 367.17,4101 493.33,4101 619.5,4101 745.67,4101 871.83,4101 998,4101 728,4189 728,4314.5 1054,4327 728,4440 835.33,4440 942.67,4440 1050,4440 835.33,4508 942.67,4508 835.33,4576 942.67,4576 835.33,4644 942.67,4644 835.33,4712 942.67,4712
NetC13_2: C13.2 JP14.1 JP15.1 JP16.1 JP17.1 R75.2 | length 34679.5
  Top Layer w20: 2979,41 2985,47 R75.2@2985,178
  Top Layer w60: C13.2@3088,159 3088,56 v1@3073,41 ; v1@3073,41 2979,41 v1(2499.2,41) v1(2203.6,41) v1(1908,41) v1(1612.4,41) v1(1316.8,41) v1(1021.2,41) v1(725.6,41) v1(430,41) 399,41 JP14.1@220,220 41,399 v1(41,422) v1(41,717.6) v1(41,1013.2) v1(41,1308.8) v1(41,1604.4) v1(41,1900) v1(41,2195.6) v1(41,2491.2) v1(41,3082.4) v1(41,3378) v1(41,3673.6) v1(41,3969.2) v1(41,4264.8) v1(41,4560.4) v1(41,4856) 41,4896 JP15.1@220,5075 399,5254 3411,5254 JP16.1@3590,5075 3769,4896 3769,399 JP17.1@3590,220 3411,41 v1(3386,41) v1(3090.4,41) v1@3073,41
  Bottom Layer w20: 45,2782.8 51,2776.8 ; 2784.8,31 2790.8,37 ; 2797.8,5238 2803.8,5244 ; 3758,2506.2 3764,2500.2
  Bottom Layer w60: v1(2499.2,41) v1(2203.6,41) ; v1(2203.6,41) v1(3090.4,41) v1(3386,41) 3411,41 JP17.1@3590,220 3769,399 3769,4896 JP16.1@3590,5075 3411,5254 399,5254 JP15.1@220,5075 41,4896 v1(41,4856) v1(41,4560.4) v1(41,4264.8) v1(41,3969.2) v1(41,3673.6) v1(41,3378) v1(41,3082.4) v1(41,2491.2) v1(41,2195.6) v1(41,1900) v1(41,1604.4) v1(41,1308.8) v1(41,1013.2) v1(41,717.6) v1(41,422) 41,399 JP14.1@220,220 399,41 v1(430,41) v1(725.6,41) v1(1021.2,41) v1(1316.8,41) v1(1612.4,41) v1(1908,41) v1(2203.6,41)
  other v1: 3768,427 3768,722.6 3768,1018.2 3768,1313.8 3768,1609.4 3768,1905 3768,2200.6 3768,2791.8 3768,3087.4 3768,3383 3768,3678.6 3768,3974.2 3768,4269.8 3768,4565.4 3768,4861 443,5248 738.6,5248 1034.2,5248 1329.8,5248 1625.4,5248 1921,5248 2216.6,5248 2512.2,5248 3103.4,5248 3399,5248
NetC18_1: C18.1 L2.1 U4.15 U4.16 U4.17 U4.18 U4.19 | length 197.3
  Top Layer w12: U4.19@950.89,3745.78 1011.22,3745.78 ; 1190,3723 C18.1@1190,3860
NetC18_2: C18.2 U4.20 | length 207
  Top Layer w12: U4.20@950.89,3765.47 1025.47,3765.47 1117,3857 C18.2@1117,3860
NetC22_2: C22.2 C23.2 C24.2 C27.2 C31.1 C32.2 L2.2 R9.2 R11.2 R15.1 R16.1 R18.1 U6.1 U6.2 U6.16 | length 1183.1
  Top Layer w12: R18.1@1190,4005 1209,4005 1241,3973 1344,3973 ; C31.1@1345,4005 R16.1@1345,3932.5 R15.1@1345,3860 1345,3680.8 L2.2@1365,3660.8 ; 2021.1,3668.9 U6.1@2072.17,3668.9 2072.27,3669 2237.83,3669 U6.16@2237.83,3668.9 ; 2021.79,3649.21 U6.2@2072.17,3649.21 ; v2(2349,3795) C32.2@2395,3795
  Bottom Layer w12: v2(2020,3744) 2071,3795 v2(2349,3795)
NetC27_1: C27.1 R13.2 U6.15 | length 388.2
  Top Layer w12: C27.1@2065,3785 R13.2@2142,3785 2142,3711 2156,3697 2275,3697 2289,3683 2289,3660 2278.21,3649.21 U6.15@2237.83,3649.21
NetC28_2: C28.2 U6.14 | length 225.5
  Top Layer w12: U6.14@2237.83,3629.53 2285.4,3629.53 2313,3657.13 2313,3701 2344.5,3732.5 C28.2@2395,3732.5
NetC29_2: C29.2 U4.21 | length 253.2
  Top Layer w12: U4.21@950.89,3785.15 1014.15,3785.15 1065,3836 1065,3880.5 C29.2@1117,3932.5
NetC30_2: C30.2 U4.2 | length 306.7
  Top Layer w10: C30.2@675,4005 760,4005 795,3970 795,3854.49 824.97,3824.52 U4.2@839.28,3824.52
NetC31_2: C31.2 R18.2 R19.1 U4.24 | length 605.1
  Top Layer w12: R19.1@930,4005 985,4005 ; U4.24@950.89,3844.21 972.21,3844.21 981,3853 981,4001 985,4005 ; C31.2@1272,4005 1272,4033 1251,4054 1134,4054 1117,4037 R18.2@1117,4005 985,4005
NetC33_1: C33.1 U1.12 U6.10 | length 1308.7
  Top Layer w12: U6.10@2237.83,3550.79 2238.52,3551.47 2317.34,3551.47 2347.87,3582 2369.5,3582 C33.1@2395,3607.5 2395,3634 v3(2396,3635) ; v3(2875,4298) 2875,4361.79 2881.36,4368.15 U1.12@2927.8,4368.15
  Bottom Layer w12: v3(2396,3635) 2396,4023 2532,4159 2736,4159 v3(2875,4298)
NetC34_2: C34.2 R20.1 U6.3 | length 204.9
  Top Layer w10: C34.2@1870,3623 1876.53,3629.53 U6.3@2072.17,3629.53
NetC35_1: C35.1 L3.1 U7.15 U7.16 U7.17 U7.18 U7.19 | length 197.3
  Top Layer w12: U7.19@950.89,2975.78 1011.22,2975.78 ; 1190,2953 C35.1@1190,3090
NetC35_2: C35.2 U7.20 | length 207
  Top Layer w12: U7.20@950.89,2995.47 1025.47,2995.47 1117,3087 C35.2@1117,3090
NetC39_2: C39.2 C40.2 C41.2 C44.2 C48.1 C49.2 L3.2 R22.2 R24.2 R28.1 R29.1 R31.1 U9.1 U9.2 U9.16 | length 1183.1
  Top Layer w12: R31.1@1190,3235 1209,3235 1241,3203 1344,3203 ; C48.1@1345,3235 R29.1@1345,3162.5 R28.1@1345,3090 1345,2910.8 L3.2@1365,2890.8 ; 2021.1,2898.9 U9.1@2072.17,2898.9 2072.27,2899 2237.83,2899 U9.16@2237.83,2898.9 ; 2021.79,2879.21 U9.2@2072.17,2879.21 ; v2(2349,3025) C49.2@2395,3025
  Bottom Layer w12: v2(2020,2974) 2071,3025 v2(2349,3025)
NetC44_1: C44.1 R26.2 U9.15 | length 388.2
  Top Layer w12: C44.1@2065,3015 R26.2@2142,3015 2142,2941 2156,2927 2275,2927 2289,2913 2289,2890 2278.21,2879.21 U9.15@2237.83,2879.21
NetC45_2: C45.2 U9.14 | length 225.5
  Top Layer w12: U9.14@2237.83,2859.53 2285.4,2859.53 2313,2887.13 2313,2931 2344.5,2962.5 C45.2@2395,2962.5
NetC46_2: C46.2 U7.21 | length 253.2
  Top Layer w12: U7.21@950.89,3015.15 1014.15,3015.15 1065,3066 1065,3110.5 C46.2@1117,3162.5
NetC47_2: C47.2 U7.2 | length 306.7
  Top Layer w10: C47.2@675,3235 760,3235 795,3200 795,3084.49 824.97,3054.52 U7.2@839.28,3054.52
NetC48_2: C48.2 R31.2 R32.1 U7.24 | length 605.1
  Top Layer w12: R32.1@930,3235 985,3235 ; U7.24@950.89,3074.21 972.21,3074.21 981,3083 981,3231 985,3235 ; C48.2@1272,3235 1272,3263 1251,3284 1134,3284 1117,3267 R31.2@1117,3235 985,3235
NetC50_1: C50.1 U1.13 U9.10 | length 2072.5
  Top Layer w12: U9.10@2237.83,2780.79 2238.52,2781.47 2317.34,2781.47 2347.87,2812 2369.5,2812 C50.1@2395,2837.5 2395,2865 v3(2397,2867) ; v3(2978,4233) 2985.94,4240.94 U1.13@2985.94,4310
  Bottom Layer w12: v3(2397,2867) 2397,3557 2439,3599 2439,3992 2557,4110 2760,4110 2883,4233 v3(2978,4233)
NetC51_2: C51.2 R33.1 U9.3 | length 204.9
  Top Layer w10: C51.2@1870,2853 1876.53,2859.53 U9.3@2072.17,2859.53
NetC52_1: C52.1 L4.1 U10.15 U10.16 U10.17 U10.18 U10.19 | length 197.3
  Top Layer w12: U10.19@950.89,2205.78 1011.22,2205.78 ; 1190,2183 C52.1@1190,2320
NetC52_2: C52.2 U10.20 | length 207
  Top Layer w12: U10.20@950.89,2225.47 1025.47,2225.47 1117,2317 C52.2@1117,2320
NetC56_2: C56.2 C57.2 C58.2 C61.2 C65.1 C66.2 L4.2 R35.2 R37.2 R41.1 R42.1 R44.1 U12.1 U12.2 U12.16 | length 1183.1
  Top Layer w12: R44.1@1190,2465 1209,2465 1241,2433 1344,2433 ; C65.1@1345,2465 R42.1@1345,2392.5 R41.1@1345,2320 1345,2140.8 L4.2@1365,2120.8 ; 2021.1,2128.9 U12.1@2072.17,2128.9 2072.27,2129 2237.83,2129 U12.16@2237.83,2128.9 ; 2021.79,2109.21 U12.2@2072.17,2109.21 ; v2(2349,2255) C66.2@2395,2255
  Bottom Layer w12: v2(2020,2204) 2071,2255 v2(2349,2255)
NetC61_1: C61.1 R39.2 U12.15 | length 388.2
  Top Layer w12: C61.1@2065,2245 R39.2@2142,2245 2142,2171 2156,2157 2275,2157 2289,2143 2289,2120 2278.21,2109.21 U12.15@2237.83,2109.21
NetC62_2: C62.2 U12.14 | length 225.5
  Top Layer w12: U12.14@2237.83,2089.53 2285.4,2089.53 2313,2117.13 2313,2161 2344.5,2192.5 C62.2@2395,2192.5
NetC63_2: C63.2 U10.21 | length 253.2
  Top Layer w12: U10.21@950.89,2245.15 1014.15,2245.15 1065,2296 1065,2340.5 C63.2@1117,2392.5
NetC64_2: C64.2 U10.2 | length 306.7
  Top Layer w10: C64.2@675,2465 760,2465 795,2430 795,2314.49 824.97,2284.52 U10.2@839.28,2284.52
NetC65_2: C65.2 R44.2 R45.1 U10.24 | length 605.1
  Top Layer w12: R45.1@930,2465 985,2465 ; U10.24@950.89,2304.21 972.21,2304.21 981,2313 981,2461 985,2465 ; C65.2@1272,2465 1272,2493 1251,2514 1134,2514 1117,2497 R44.2@1117,2465 985,2465
NetC67_1: C67.1 U1.14 U12.10 | length 2834.9
  Top Layer w10: v3@2986,4196 3005.94,4215.94 3005.94,4309.68 U1.14@3005.63,4310
  Top Layer w12: U12.10@2237.83,2010.79 2238.52,2011.47 2317.34,2011.47 2347.87,2042 2369.5,2042 C67.1@2395,2067.5 2395,2092 v3(2399,2096)
  Bottom Layer w10: v3(2399,2096) 2478,2175 2478,3957 2586,4065 2779,4065 2909.84,4195.84 v3(2987,4195.84)
NetC68_2: C68.2 R46.1 U12.3 | length 204.9
  Top Layer w10: C68.2@1870,2083 1876.53,2089.53 U12.3@2072.17,2089.53
NetC69_1: C69.1 L5.1 U13.15 U13.16 U13.17 U13.18 U13.19 | length 197.3
  Top Layer w12: U13.19@950.89,1435.78 1011.22,1435.78 ; 1190,1413 C69.1@1190,1550
NetC69_2: C69.2 U13.20 | length 207
  Top Layer w12: U13.20@950.89,1455.47 1025.47,1455.47 1117,1547 C69.2@1117,1550
NetC73_2: C73.2 C74.2 C75.2 C78.2 C82.1 C83.2 L5.2 R48.2 R50.2 R54.1 R55.1 R57.1 U15.1 U15.2 U15.16 | length 1183.1
  Top Layer w12: R57.1@1190,1695 1209,1695 1241,1663 1344,1663 ; C82.1@1345,1695 R55.1@1345,1622.5 R54.1@1345,1550 1345,1370.8 L5.2@1365,1350.8 ; 2021.1,1358.9 U15.1@2072.17,1358.9 2072.27,1359 2237.83,1359 U15.16@2237.83,1358.9 ; 2021.79,1339.21 U15.2@2072.17,1339.21 ; v2(2349,1485) C83.2@2395,1485
  Bottom Layer w12: v2(2020,1434) 2071,1485 v2(2349,1485)
NetC78_1: C78.1 R52.2 U15.15 | length 388.2
  Top Layer w12: C78.1@2065,1475 R52.2@2142,1475 2142,1401 2156,1387 2275,1387 2289,1373 2289,1350 2278.21,1339.21 U15.15@2237.83,1339.21
NetC79_2: C79.2 U15.14 | length 225.5
  Top Layer w12: U15.14@2237.83,1319.53 2285.4,1319.53 2313,1347.13 2313,1391 2344.5,1422.5 C79.2@2395,1422.5
NetC80_2: C80.2 U13.21 | length 253.2
  Top Layer w12: U13.21@950.89,1475.15 1014.15,1475.15 1065,1526 1065,1570.5 C80.2@1117,1622.5
NetC81_2: C81.2 U13.2 | length 306.7
  Top Layer w10: C81.2@675,1695 760,1695 795,1660 795,1544.49 824.97,1514.52 U13.2@839.28,1514.52
NetC82_2: C82.2 R57.2 R58.1 U13.24 | length 605.1
  Top Layer w12: R58.1@930,1695 985,1695 ; U13.24@950.89,1534.21 972.21,1534.21 981,1543 981,1691 985,1695 ; C82.2@1272,1695 1272,1723 1251,1744 1134,1744 1117,1727 R57.2@1117,1695 985,1695
NetC84_1: C84.1 U1.15 U15.10 | length 3728.3
  Top Layer w10: v3@2987,4151 3025.32,4189.32 U1.15@3025.32,4310
  Top Layer w12: U15.10@2237.83,1240.79 2238.52,1241.47 2317.34,1241.47 2347.87,1272 2369.5,1272 C84.1@2395,1297.5 2395,1321.5 v3(2397,1323.5)
  Bottom Layer w10: v3(2397,1323.5) 2427.5,1293 2727,1293 2797,1363 2797,4022 2930.63,4155.63 v3(2987,4155.63)
NetC85_2: C85.2 R59.1 U15.3 | length 204.9
  Top Layer w10: C85.2@1870,1313 1876.53,1319.53 U15.3@2072.17,1319.53
NetC86_1: C86.1 L6.1 U16.15 U16.16 U16.17 U16.18 U16.19 | length 197.3
  Top Layer w12: U16.19@950.89,665.78 1011.22,665.78 ; 1190,643 C86.1@1190,780
NetC86_2: C86.2 U16.20 | length 207
  Top Layer w12: U16.20@950.89,685.47 1025.47,685.47 1117,777 C86.2@1117,780
NetC90_2: C90.2 C91.2 C92.2 C95.2 C99.1 C100.2 L6.2 R61.2 R63.2 R67.1 R68.1 R70.1 U18.1 U18.2 U18.16 | length 1183.1
  Top Layer w12: R70.1@1190,925 1209,925 1241,893 1344,893 ; C99.1@1345,925 R68.1@1345,852.5 R67.1@1345,780 1345,600.8 L6.2@1365,580.8 ; 2021.1,588.9 U18.1@2072.17,588.9 2072.27,589 2237.83,589 U18.16@2237.83,588.9 ; 2021.79,569.21 U18.2@2072.17,569.21 ; v2(2349,715) C100.2@2395,715
  Bottom Layer w12: v2(2020,664) 2071,715 v2(2349,715)
NetC95_1: C95.1 R65.2 U18.15 | length 388.2
  Top Layer w12: C95.1@2065,705 R65.2@2142,705 2142,631 2156,617 2275,617 2289,603 2289,580 2278.21,569.21 U18.15@2237.83,569.21
NetC96_2: C96.2 U18.14 | length 225.5
  Top Layer w12: U18.14@2237.83,549.53 2285.4,549.53 2313,577.13 2313,621 2344.5,652.5 C96.2@2395,652.5
NetC97_2: C97.2 U16.21 | length 253.2
  Top Layer w12: U16.21@950.89,705.15 1014.15,705.15 1065,756 1065,800.5 C97.2@1117,852.5
NetC98_2: C98.2 U16.2 | length 306.7
  Top Layer w10: C98.2@675,925 760,925 795,890 795,774.49 824.97,744.52 U16.2@839.28,744.52
NetC99_2: C99.2 R70.2 R71.1 U16.24 | length 605.1
  Top Layer w12: R71.1@930,925 985,925 ; U16.24@950.89,764.21 972.21,764.21 981,773 981,921 985,925 ; C99.2@1272,925 1272,953 1251,974 1134,974 1117,957 R70.2@1117,925 985,925
NetC101_1: C101.1 U1.16 U18.10 | length 4481
  Top Layer w10: v3(2987,4115.42) 3045,4173.42 U1.16@3045,4310
  Top Layer w12: U18.10@2237.83,470.79 2238.52,471.47 2317.34,471.47 2347.87,502 2369.5,502 C101.1@2395,527.5 2395,553 v3(2399,557)
  Bottom Layer w10: v3(2399,557) 2430,526 2717,526 2852,661 2852,4012 2955.42,4115.42 v3(2987,4115.42)
NetC102_2: C102.2 R72.1 U18.3 | length 204.9
  Top Layer w10: C102.2@1870,543 1876.53,549.53 U18.3@2072.17,549.53
NetFU1_1: FU1.1 JP2.2
NetLED1_1: LED1.1 R2.2 | length 85
  Top Layer w12: LED1.1@3655,4505 LED1.1@3655,4513
  Top Layer w20: LED1.1@3655,4513 R2.2@3655,4590